# KiCad board atonceplus.kicad_pcb (continued)
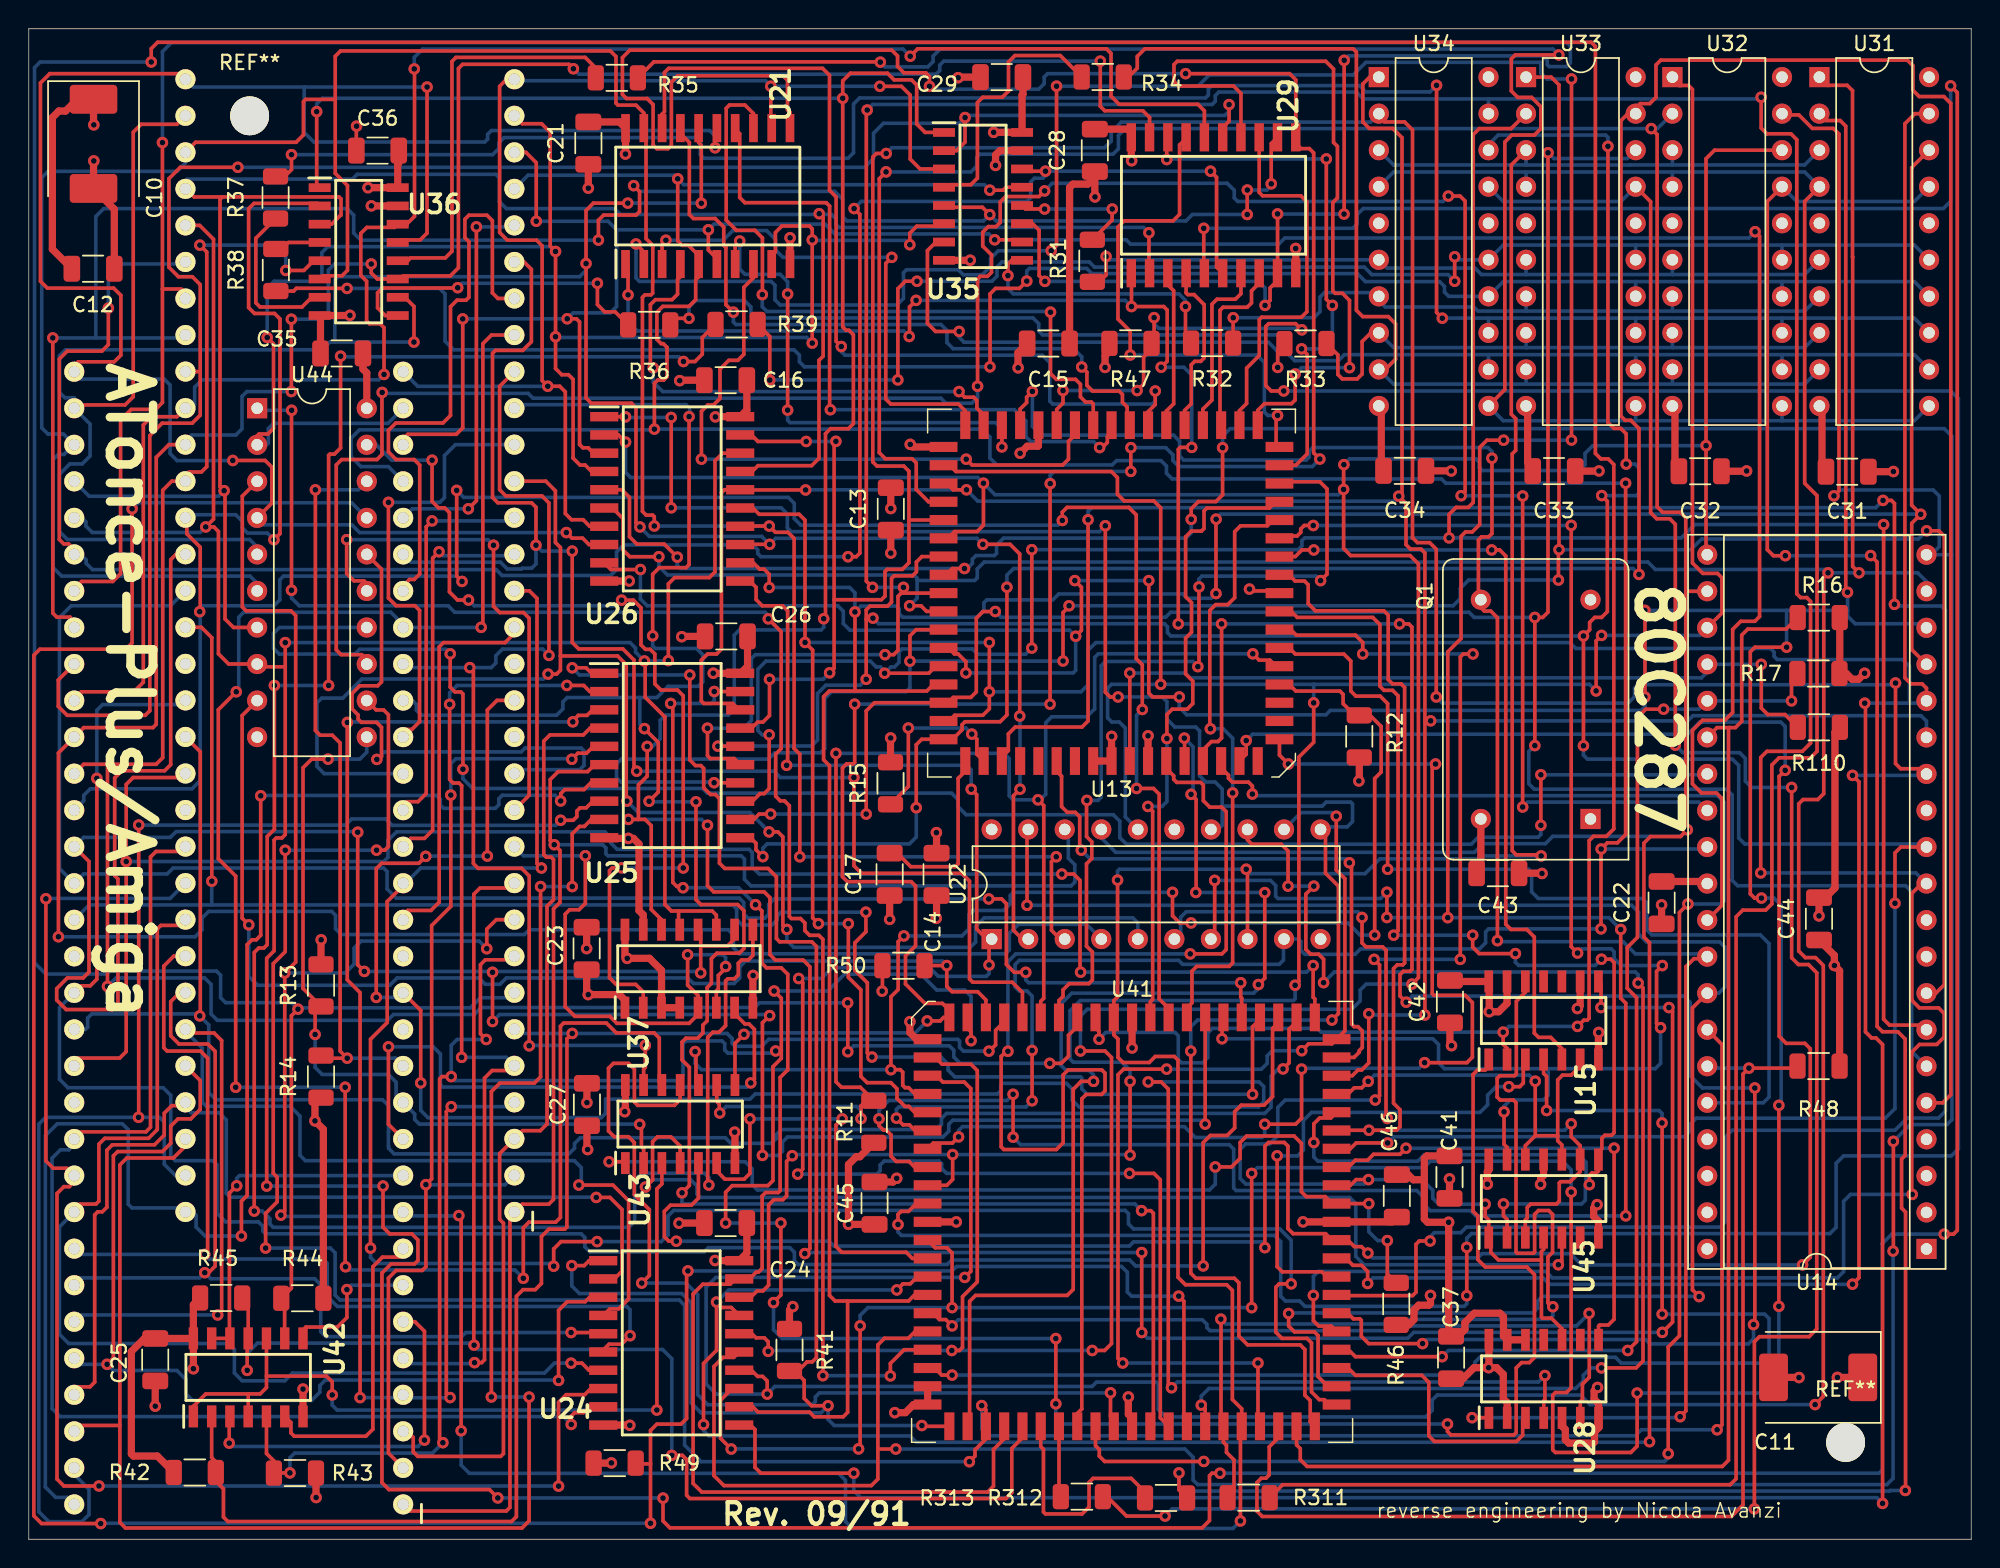
[diagram p0: board, top side]
## Routing (per net, layer and track width the routed paths; a pad name or vN(x,y) marks a point on that pad's centre or on a via; arc(x,y) is an arc through that point) (continued)
6_INTR: length 41.7
  Top w0.25: U13.57 71.44,53.38 71.78,53.04 71.78,50.93 72.18,50.53 72.73,50.53 73.04,50.22 73.04,48.01 v1(73.15,47.9) ; v1(91.78,47.02) 91.93,46.87 91.93,35.81 92.11,35.63 92.38,35.63 92.68,35.33 92.68,34.18 92.47,33.97 92.47,33.86 92.1,33.49 U41.73
  Bottom w0.25: v1(73.15,47.9) 73.75,47.3 91.51,47.3 v1(91.78,47.02)
6_M\~{IO}: length 180.2
  Top w0.25: U13.67 84.61,54.57 v1(84.61,55.52) ; v1(85.91,20.27) 85.91,27.33 86.16,27.58 87.26,27.58 87.51,27.33 87.51,21.6 87.87,21.24 90.13,21.24 90.58,20.79 U41.63 91.68,20.79 92.13,20.34 92.62,20.34 v1(93.07,19.89) ; U43.5 46.54,23.71 46.05,23.22 44.6,23.22 44.17,22.79 44.17,21.03 44.48,20.72 v1(45.01,20.72) ; v1(123.28,19.07) 123.82,19.61 123.82,34.09 123.44,34.47 122.14,34.47 121.65,34.96 121.65,53.03 v1(122.07,53.45)
  Bottom w0.25: v1(85.91,20.27) 85.91,20.5 85.74,20.67 76.78,20.67 76.49,20.38 55.96,20.38 55.62,20.72 v1(45.01,20.72) ; v1(93.07,19.89) 93.4,19.56 100.71,19.56 101,19.85 107.14,19.85 107.92,19.07 v1(123.28,19.07) ; v1(84.61,55.52) 85.05,55.96 115.29,55.96 116.13,56.8 121.77,56.8 122.07,56.5 v1(122.07,53.45)
6_PEREQ: length 57
  Top w0.25: U13.61 v1(76.52,60.21) ; v1(120.41,60.82) 120.41,57.78 120.86,57.33 122.06,57.33 R110.2
  Bottom w0.25: v1(120.41,60.82) U14.24 116.65,60.28 116.25,59.88 80.71,59.88 80.38,60.21 v1(76.52,60.21)
6_RESET: length 223.2
  Top w0.25: v1(87.22,79.82) 86.35,79.82 85.97,80.2 85.97,84.3 86.17,84.5 88.04,84.5 88.47,84.07 v1(88.48,84.07) ; U13.29 71.44,78.54 71.88,78.98 v1(71.88,79.85) ; v1(99.94,16.93) v1(99.94,20.29) ; v1(77.03,79.85) 77.48,80.3 77.48,82.18 78.03,82.73 R47.2 78.21,83.31 v1(78.21,84.92) ; U41.21 61.68,23.33 61.14,22.79 60.62,22.79 60.41,22.58 v1(60.41,21.88)
  Bottom w0.25: v1(99.94,16.93) 99.94,16.37 99.76,16.19 88.69,16.19 88.32,16.56 87.34,16.56 87.01,16.89 87.01,20.69 86.58,21.12 60.65,21.12 60.41,21.36 v1(60.41,21.88) ; v1(87.22,79.82) 133.57,79.82 134.11,79.28 134.11,27.14 133.62,26.65 126.13,26.65 125.61,26.13 125.61,21.68 125.17,21.24 100.26,21.24 99.94,20.92 v1(99.94,20.29) ; v1(78.21,84.92) 78.21,84.49 78.53,84.17 88.38,84.17 v1(88.48,84.07) ; v1(71.88,79.85) v1(77.03,79.85)
6_~{BHE}: length 79.3
  Top w0.25: v1(97.77,53.89) 97.54,53.66 97.54,37.93 97.66,37.81 99.83,37.81 100.33,37.31 100.33,33.51 99.95,33.13 v1(97.01,33.13) ; U41.18 62.87,27.54 64.19,27.54 v1(64.62,27.97) ; 87.36,55.61 U13.1 86.92,54.51 v1(87.54,53.89) ; v1(88.46,32.68) 88.46,29.27 88.04,28.85 v1(85.9,28.85)
  Bottom w0.25: v1(88.46,32.68) 88.52,32.74 96.62,32.74 v1(97.01,33.13) ; v1(64.62,27.97) 64.62,28.41 64.89,28.68 80.32,28.68 81.07,27.93 85.7,27.93 85.9,28.13 v1(85.9,28.85) ; v1(97.77,53.89) v1(87.54,53.89)
6_~{BUSY}: length 177.7
  Top w0.25: v1(97.39,20.73) 96.64,20.73 96.41,20.5 96.41,17.17 96.17,16.93 90.94,16.93 U41.60 ; v1(73.62,70.87) 73.62,56.88 73.2,56.46 68.56,56.46 68.08,55.98 68.08,54.82 67.63,54.37 U13.54 ; v1(128.87,72.22) 129.46,72.22 129.66,72 v1(129.66,64.99)
  Bottom w0.25: v1(128.87,72.22) 128.37,71.71 73.88,71.71 73.62,71.45 v1(73.62,70.87) ; v1(97.39,20.73) 97.39,21.02 97.68,21.31 99.53,21.31 99.91,21.69 117.54,21.69 117.88,22.03 117.88,27.92 118.39,28.43 129.7,28.43 130.55,29.28 132.73,29.28 133.21,29.76 133.21,64.58 132.91,64.87 129.84,64.87 129.72,64.99
6_~{PEACK}: length 67.5
  Top w0.25: U13.6 87.6,61.96 88.03,61.53 91.4,61.53 91.88,61.05 91.88,58.96 92.23,58.61 93.92,58.61 94.44,58.09 v1(94.44,46.57)
  Bottom w0.25: v1(94.44,46.57) 104.25,46.57 104.44,46.38 104.44,45.01 104.91,44.54 112.14,44.54 112.46,44.22 112.46,42.36 112.81,42.01 120.34,42.01 120.95,41.4 120.95,30.74 120.55,30.34 U14.36
6_~{READY}: length 83.4
  Top w0.25: U13.63 79.06,53.58 79.57,53.07 79.57,52.83 79.79,52.61 81.45,52.61 81.63,52.43 81.63,51.34 82.08,50.89 82.91,50.89 83.22,50.58 83.22,40.99 82.92,40.69 v1(80.72,40.69) ; U41.40 72.87,8.74 73.18,9.05 73.18,30.61 73.49,30.92 74.56,30.92 74.8,31.16 74.8,32.4 74.57,32.63 72.24,32.63 71.89,32.28 71.89,27.56 71.42,27.09 67.77,27.09 67.58,27.28 67.58,33.56 67.94,33.92 v1(68.05,33.92)
  Bottom w0.25: v1(68.05,33.92) 68.05,40.14 68.6,40.69 v1(80.72,40.69)
6_~{S0}: length 99.3
  Top w0.25: U41.6 70.33,37.39 70.54,37.6 70.54,51 v1(70.14,51.4) ; v1(85.07,61.55) 85.51,61.11 86.26,61.11 86.68,60.69 U13.5 ; v1(56.1,54.63) 56.1,31.8 56.48,31.42 57.79,31.42 R11.1 58.19,30.48 57.84,30.13 v1(57.84,29.24) ; U43.9 47.81,30.43 47.99,30.25 47.99,29.66 v1(48.02,29.63)
  Bottom w0.25: v1(48.02,29.63) 48.47,30.08 57.56,30.08 57.84,29.8 v1(57.84,29.24) ; v1(85.07,61.55) 74.33,61.55 74.08,61.3 74.08,57.72 73.53,57.17 71.09,57.17 70.68,56.76 70.68,51.79 70.29,51.4 v1(70.14,51.4) 68.42,51.4 68.14,51.68 68.14,54.27 67.78,54.63 v1(56.1,54.63)
6_~{S1}: length 91.5
  Top w0.25: U43.10 46.37,31.74 46.37,33.84 v1(46.31,33.9) ; U41.15 61.59,30.95 61.15,31.39 60.9,31.39 60.74,31.55 60.74,32.47 60.57,32.64 v1(59.92,32.64) 59.92,37.71 60.42,38.21 60.42,41.54 v1(60.82,41.94) ; 87.54,59.42 U13.4 87.6,59.42 88.06,58.96 91.12,58.96 91.35,58.73 91.35,58.08 92.16,57.27 R12.2 93.22,57.27 93.99,56.5 93.99,53.33 93.54,52.88 v1(93.54,42) ; v1(79.49,44.97) 79.49,43.34 79.99,42.84 v1(80.78,42.84)
  Bottom w0.25: v1(79.49,44.97) 68.43,44.97 68.21,44.75 68.21,44.17 67.75,43.71 65.62,43.71 65.35,43.44 65.35,42.43 64.86,41.94 v1(60.82,41.94) ; v1(93.54,42) 92.52,42 91.68,42.84 v1(80.78,42.84) ; v1(46.31,33.9) 46.31,33.08 46.75,32.64 v1(59.92,32.64)
7_NPS2: length 119.3
  Top w0.25: v1(87.56,15.69) 87.56,14.82 87.97,14.41 89.35,14.41 89.6,14.16 89.6,11.31 90.28,10.63 U41.55 ; v1(69.38,44.07) 69.38,49.26 U22.19 ; v1(116.09,16.87) 115.62,17.34 115.62,36.93 U14.33
  Bottom w0.25: v1(69.38,44.07) 111.4,44.07 111.88,43.59 111.88,42.07 112.43,41.53 117.51,41.53 117.92,41.12 117.92,38.43 117.45,37.96 U14.33 117.22,37.96 ; v1(87.56,15.69) 87.6,15.73 104.52,15.73 104.85,16.06 104.85,16.54 105.2,16.89 116.07,16.89 v1(116.09,16.87)
7_RESET: length 77.9
  Top w0.25: R48.2 122.79,32.75 v1(119.55,32.75) 119.14,32.34 119.14,2.39 118.33,1.58 85.73,1.58 85.35,1.96 85.35,3.93 85.66,4.24 85.98,4.24 86.21,4.47 86.21,6.42 86.84,7.05 U41.51
  Bottom w0.25: U14.35 116.78,32.75 v1(119.55,32.75)
7_~{BUSY}: length 78.7
  Top w0.25: v1(113.62,57.7) 112.38,57.7 111.8,57.12 111.8,41.84 111.09,41.13 111.09,38.3 111.74,37.65 111.74,13.73 v1(111.13,13.12) ; U41.57 91.72,13.17 92.2,12.69 v1(98.23,12.69) ; v1(122.51,58.28) 122.51,59.77 R17.2
  Bottom w0.25: v1(98.23,12.69) 98.66,13.12 v1(111.13,13.12) ; v1(113.62,57.7) 116.07,57.7 U14.25 v1(122.51,58.28)
7_~{ERROR}: length 96.8
  Top w0.25: 118.21,56.42 118.61,56.42 119.05,56.86 119.05,62.85 119.47,63.27 122.14,63.27 R16.2 ; 118.21,56.42 118.13,56.34 118.13,5.49 117.7,5.06 88.84,5.06 88.37,5.53 88.37,6.3 88.11,6.56 U41.52 ; 118.21,56.42 117.33,56.42 U14.26
7_~{NPRD}: length 123.5
  Top w0.25: v1(29.29,61.55) 29.29,59.23 29.62,58.9 30.03,58.9 30.17,58.75 v1(30.17,53.53) ; v1(105.09,49.63) v1(105.09,53.14)
  Bottom w0.25: v1(105.09,53.14) 116.59,53.14 U14.27 ; v1(105.09,49.63) 105.09,48.99 104.9,48.8 100.74,48.8 100.25,48.31 76.29,48.31 75.83,48.77 75.83,49.91 75.37,50.37 65.14,50.37 64.59,50.92 64.59,51.41 64.14,51.86 47.16,51.86 46.83,52.19 30.85,52.19 30.17,52.86 v1(30.17,53.53) ; U44.14 17.42,63.38 17.01,62.97 17.01,61.93 17.41,61.53 22.66,61.53 23,61.87 28.97,61.87 v1(29.29,61.55)
7_~{NPS1}: length 195.3
  Top w0.25: v1(16.46,20.24) 16.46,22.65 17.26,23.45 17.26,25.17 16.99,25.44 16.99,40.01 17.82,40.84 v1(17.82,47.9) ; v1(65.37,5.39) 65.76,5.78 65.76,6.21 66.52,6.97 U41.35 66.52,9 v1(66.23,9.29) ; v1(24.17,47.9) 24.74,47.9 24.99,48.15 24.99,57.32 24.66,57.65 24.14,57.65 U44.12 ; v1(117.34,7.61) 117.68,7.95 117.68,34.39 U14.34
  Bottom w0.25: v1(66.23,9.29) 66.23,7.66 66.7,7.19 111.66,7.19 112.08,7.61 v1(117.34,7.61) ; v1(16.46,20.24) 20.96,20.24 21.29,19.91 21.29,16.97 21.63,16.63 45.21,16.63 45.58,16.26 45.58,6.54 46.73,5.39 v1(65.37,5.39) ; v1(24.17,47.9) v1(17.82,47.9)
7_~{NPWR}: length 174.3
  Top w0.25: v1(99.55,72.54) 99.83,72.82 99.83,93.02 99.48,93.37 v1(98.66,93.37) ; v1(65.94,80.15) 65.94,87.6 66.13,87.79 66.63,87.79 66.91,88.07 66.91,89.28 66.3,89.89 66.3,90.86 66.69,91.25 67.23,91.25 67.52,91.54 67.52,92.96 67.9,93.34 70.21,93.34 v1(70.6,93.73) ; v1(103.83,72.52) v1(103.83,50.9) ; U44.13 23.49,61.14 23.14,61.49 21.71,61.49 21.37,61.83 21.37,74.68 21.74,75.05 24.2,75.05 24.54,75.4 24.54,79.7 v1(24.56,79.72)
  Bottom w0.25: v1(65.94,80.15) 65.94,79.37 65.54,78.97 63.74,78.97 63.39,79.32 35.04,79.32 34.7,79.66 24.62,79.66 v1(24.56,79.72) ; v1(103.83,50.9) 104.16,51.24 116.07,51.24 U14.28 ; v1(103.83,72.52) 103.81,72.54 v1(99.55,72.54) ; v1(98.66,93.37) 98.28,92.99 84.03,92.99 83.78,93.24 83.78,93.77 83.29,94.26 71.13,94.26 v1(70.6,93.73)
CLK: length 70.8
  Top w0.25: v1(88.47,33.96) 88.95,34.44 90.57,34.44 U41.74 91.47,35.34 91.47,45.92 90.87,46.52 v1(90.87,50.26) ; v1(79.08,32.68) 76.09,32.68 75.7,32.29 75.7,12.58 v1(76.03,12.25) ; v1(85.43,12.25) 85.43,8.41 85.57,8.27 U41.50
  Bottom w0.25: U22.12 88.41,50.51 90.62,50.51 v1(90.87,50.26) ; v1(79.08,32.68) 79.09,32.67 85.66,32.67 86.07,33.08 86.07,33.6 86.43,33.96 v1(88.47,33.96) ; v1(85.43,12.25) v1(76.03,12.25)
GCLK: length 201.8
  Top w0.25: v1(49.7,35.09) 49.08,34.47 U43.8 48.93,31.57 ; v1(70.99,73.38) 70.98,73.37 v1(70.98,58.05) ; v1(57.4,58.05) 57.4,54 57.3,53.9 56.84,53.9 56.55,53.61 56.55,46.05 56.89,45.71 61.33,45.71 61.63,45.41 61.63,41.25 60.93,40.55 60.93,38.6 62.28,37.25 63.5,37.25 63.98,36.77 U41.11 63.59,36.28 63.34,36.03 v1(62.44,36.03) ; v1(80.4,101.88) 87.63,101.88 88.06,101.45 U29.11 88.06,97.03 88.41,96.67 89,96.67 89.3,96.37 89.3,75.52 v1(89.73,75.09) ; v1(62.6,101) 62.6,101.68 62.34,101.94 60.82,101.94 60.38,102.38 60.38,103.11 59.98,103.51 41.77,103.51 41.26,103 41.26,100.43 41.54,100.15 42.97,100.15 43.39,99.73 43.39,96.92 43.65,96.66 44.43,96.66 44.66,96.89 44.66,101.29 45.1,101.73 52.42,101.73 52.73,101.42 52.73,99.37 52.91,99.19 U21.11 ; v1(76.59,74.23) 76.59,75.87 v1(76.6,75.88)
  Bottom w0.25: v1(49.7,35.09) 49.81,35.2 61.61,35.2 v1(62.44,36.03) ; v1(80.4,101.88) 70.81,101.88 70.57,101.64 70.57,101.18 70.19,100.8 62.8,100.8 v1(62.6,101) ; v1(89.73,75.09) 89.21,74.57 79.93,74.57 79.52,74.98 79.52,75.38 79.02,75.88 v1(76.6,75.88) ; v1(57.4,58.05) v1(70.98,58.05) ; v1(76.59,74.23) 71.26,74.23 70.99,73.96 v1(70.99,73.38)
LDC: length 98.2
  Top w0.25: U24.19 50.09,18.09 50.56,18.57 50.71,18.57 50.97,18.83 50.97,23.86 51.21,24.1 52.09,24.1 52.22,24.23 52.22,32.1 52.75,32.63 52.75,39.27 52.3,39.72 51.27,39.72 50.95,40.04 50.95,43.67 v1(50.51,44.11) ; U24.19 49.12,18.09 48.75,17.73 46.85,17.73 46.17,17.05 46.17,3.88 46.77,3.28 66.64,3.28 67.05,3.69 67.05,6.24 67.79,6.98 U41.36 ; U24.19 49.99,18.09 ; U24.19 49.94,18.09 ; v1(45.47,45.29) 45.38,45.38 45.04,45.38 44.76,45.66 44.76,57.95 v1(44.61,58.1) ; v1(47.64,58.93) 49.44,58.93 49.44,58.92
  Bottom w0.25: v1(50.51,44.11) 49.33,45.29 v1(45.47,45.29) ; v1(47.64,58.93) 47.64,58.29 47.45,58.1 v1(44.61,58.1)
M2: length 111.1
  Top w0.25: v1(37.74,19.02) 38.6,19.02 38.94,19.36 39.92,19.36 ; v1(62.07,7.9) 62.12,7.85 U41.33 ; v1(45.94,60.08) 45.94,54.17 46.33,53.78 46.71,53.78 46.9,53.59 46.9,52.24 47.38,51.77 47.72,51.77 48,51.49 48,47 48.37,46.63 51.38,46.63 51.96,46.05 51.96,41.76 52.19,41.53 54.42,41.53 54.74,41.21 54.74,12.62 54.45,12.33 54.09,12.33 53.46,11.7 R41.2 53.23,11.7 53.89,11.04 53.89,9.79 54.4,9.28 v1(55.55,9.28) ; U25.1 39.11,60.19 38.73,60.58 v1(37.77,60.58)
  Bottom w0.25: v1(37.74,19.02) 37.74,17.61 38.27,17.08 45.4,17.08 46.04,16.44 46.04,9.47 46.72,8.79 55.06,8.79 v1(55.55,9.28) 55.55,8.33 55.98,7.9 v1(62.07,7.9) ; v1(37.77,60.58) 38.27,60.08 v1(45.94,60.08)
M_~{AS}: length 101.6
  Top w0.25: U41.8 67.79,35.97 67.2,35.38 67.2,34.36 66.76,33.93 v1(66.73,33.93) ; v1(37.77,35.16) 37.4,34.79 37.4,21.7 37.25,21.55 36.14,21.55 35.63,21.04 35.63,17.78 35.2,17.35 34.35,17.35 33.89,16.89 33.89,1.57 33.55,1.23 13.84,1.23 13.53,1.54 13.53,3.5 13,4.03 13,5.38 12.71,5.67 U42.2
  Bottom w0.25: J2.6 34.04,35.16 v1(37.77,35.16) 48.53,35.16 48.89,34.8 48.89,34.46 49.08,34.27 50.94,34.27 51.42,34.75 64.57,34.75 64.69,34.63 64.69,34.2 64.96,33.93 v1(66.73,33.93)
M_~{BGACK}: length 35.7
  Top w0.25: J2.12 34.78,51.72 34.78,64.02 34.38,64.42 32.73,64.42 32.3,64.85 v1(32.3,69.1) ; v1(22.09,69.49) 22.09,67.13 22.6,66.62 23.3,66.62 23.49,66.43 U44.15
  Bottom w0.25: v1(32.3,69.1) 31.91,69.49 v1(22.09,69.49)
M_~{BG}: length 37.5
  Top w0.25: v1(45.79,40.63) 45.79,38.52 46.51,37.8 U37.5 46.51,36.49 45.89,35.86 40.87,35.86 40.39,36.35 37.95,36.35 37.28,37.02 37.28,43.45 37.59,43.76 38.24,43.76 38.68,44.2 v1(38.68,47.51) ; U37.6 47.78,38.11 47.92,38.25 47.92,39.19 48.43,39.7 v1(48.43,39.81)
  Bottom w0.25: v1(45.79,40.63) 48.24,40.63 48.43,40.44 v1(48.43,39.81) ; J2.11 33.75,48.14 34.38,47.51 v1(38.68,47.51)
M_~{BR}: length 38.8
  Top w0.25: U44.16 24.52,67.43 24.52,59.6 24.25,59.33 23,59.33 22.46,58.79 22.46,57.73 22.89,57.3 22.89,57.01 23.11,56.79 24.17,56.79 24.52,56.44 24.52,54.41 24.32,54.21 v1(24.19,54.21)
  Bottom w0.25: J2.13 33.76,53.23 34.02,53.49 38.29,53.49 38.59,53.79 38.59,54.8 38.39,55 34.5,55 34.23,54.73 24.71,54.73 v1(24.19,54.21)
M_~{DTACK}: length 109.3
  Top w0.25: v1(15.18,11.74) 15.18,13.89 U42.11 15.25,16.35 R45.2 ; v1(30.95,13.49) 30.93,13.51 30.93,44.84 31.36,45.27 33.41,45.27 J2.10 ; U41.37 69.06,7.05 68.32,6.31 68.32,3.24 67.91,2.83 45.95,2.83 45.72,3.06 45.72,5.54 45.43,5.83 v1(44.69,5.83)
  Bottom w0.25: v1(44.69,5.83) 44.69,12.55 44.05,13.19 31.25,13.19 v1(30.95,13.49) 30.81,13.63 15.89,13.63 15.18,12.92 v1(15.18,11.74)
M_~{LDS}: length 222.2
  Top w0.25: v1(51.76,16.45) 51.76,16.47 52.27,16.98 v1(52.27,21.98) ; v1(51.8,38.11) 52.3,37.61 52.3,33.94 ; U15.1 101.47,32.87 101.21,32.61 100.68,32.61 100.38,32.31 100.38,22.8 100.71,22.47 100.71,19.44 101.23,18.92 104.12,18.92 104.65,18.39 104.65,12.64 104.29,12.28 103.75,12.28 103.38,11.91 103.38,7.42 103.21,7.25 98.84,7.25 98.6,7.49 v1(98.6,8.01) ; 52.3,33.94 52.3,33.43 51.72,32.85 51.72,24.93 51.37,24.58 48.89,24.58 48.43,24.12 v1(48.43,21.98) ; 52.3,33.94 v1(51.91,33.94) ; J2.8 33.5,40.28 31.73,40.28 31.39,39.94 31.39,35.14 v1(31.79,34.74) ; U41.10 65.25,35.51 65.49,35.27 v1(65.49,34.66) ; v1(71.38,13.95) v1(71.38,9.41) ; U42.5 16.52,5.96 17.04,5.44 R43.2 17.05,4.61 v1(18.15,4.61) ; v1(28.78,6.71) 28.55,6.94 28.55,31.99 28.72,32.16 v1(29.36,32.16)
  Bottom w0.25: v1(51.76,16.45) 51.76,14.56 52.37,13.95 v1(71.38,13.95) ; v1(98.6,8.01) 71.86,8.01 71.38,8.49 v1(71.38,9.41) ; v1(48.43,21.98) v1(52.27,21.98) ; v1(31.79,34.74) 29.77,34.74 29.36,34.33 v1(29.36,32.16) 29.36,32.14 29.62,31.88 45.08,31.88 45.47,32.27 45.47,34.44 45.67,34.64 48.18,34.64 48.37,34.45 48.37,34.01 48.59,33.79 51.76,33.79 v1(51.91,33.94) ; v1(65.49,34.66) 65.49,37.74 65.05,38.18 63.1,38.18 62,39.28 56.69,39.28 55.52,38.11 v1(51.8,38.11) ; v1(18.15,4.61) 18.15,5.66 18.48,5.99 28.06,5.99 v1(28.78,6.71)
M_~{UDS}: length 343.7
  Top w0.25: U42.9 17.78,13.97 17.78,16.52 R44.2 18.25,17.45 18.25,36.39 v1(18.71,36.85) ; 107.64,35.69 v1(107.64,35.65) 108.07,36.08 108.31,36.08 108.45,36.22 108.45,48.57 108.74,48.86 109.64,48.86 110.16,49.38 110.16,74.71 109.77,75.1 109.26,75.1 108.88,75.48 108.88,103.78 108.6,104.06 8.95,104.06 8.51,103.62 v1(8.51,102.69) ; v1(74.38,34.76) 74.38,35.3 74.14,35.54 U41.3 ; v1(102.47,35.25) 102.47,34.4 102.74,34.13 U15.2
  Bottom w0.25: J2.7 33.4,37.64 31.39,37.64 30.69,36.94 18.8,36.94 v1(18.71,36.85) 18.26,37.3 13.68,37.3 13.33,37.65 13.33,39.21 13.05,39.49 5.64,39.49 5.44,39.29 1.18,39.29 0.4,40.07 0.4,102.3 0.79,102.69 v1(8.51,102.69) ; v1(74.38,34.76) 74.85,35.23 79.66,35.23 79.89,35 79.89,33.35 80.12,33.12 81.58,33.12 81.94,33.48 81.94,35.19 82.27,35.52 89.55,35.52 89.82,35.25 v1(102.47,35.25) 102.87,35.65 v1(107.64,35.65)
P9: length 77.9
  Top w0.25: U44.9 14.83,57.26 14.83,43.17 v1(15.29,42.71) ; U41.9 66.52,37.49 65.95,38.06 64.17,38.06 63.8,38.43 v1(63.8,39.88) 62.26,39.88 R50.2
  Bottom w0.25: v1(63.8,39.88) 63.8,39.89 63.5,40.19 49.81,40.19 49.41,39.79 49.41,39.02 49.02,38.63 46.19,38.63 45.8,39.02 33.19,39.02 32.75,38.58 31.72,38.58 31.28,39.02 25.6,39.02 25.09,38.51 15.9,38.51 15.29,39.12 v1(15.29,42.71)
P19: length 273.6
  Top w0.25: v1(94.39,43.22) v1(94.39,44.98) ; v1(42.2,90.04) 42.6,89.64 42.6,88.79 U21.2 ; U22.7 82.42,41.98 v1(82.42,45.8) ; v1(71.43,101.01) 71.43,89.94 v1(71.06,89.57) ; U41.19 61.57,25.87 61.18,26.26 60.29,26.26 59.93,26.62 59.93,28.11 59.59,28.45 59.39,28.45 59.09,28.75 v1(59.09,29.22) ; v1(102.5,76.4) 101.34,76.4 100.84,75.9 100.84,70.54 100.32,70.02 99.85,70.02 99.54,69.71 99.54,62.61 98.62,61.69 v1(98.62,43.21) ; v1(110.99,22.48) 110.99,37.26 110.64,37.61 v1(110.64,42.39) ; v1(107.22,76.41) v1(107.22,101.51) ; v1(68.41,30.93) v1(68.41,27.95)
  Bottom w0.25: v1(68.41,27.95) 68.93,27.43 83.43,27.43 83.74,27.12 83.74,24.41 83.91,24.24 96.47,24.24 97.02,23.69 97.02,23.22 97.4,22.84 100.21,22.84 100.57,22.48 v1(110.99,22.48) ; v1(71.43,101.01) 81.26,101.01 82.04,101.79 92.05,101.79 92.93,102.67 105.02,102.67 105.09,102.6 105.09,101.93 105.51,101.51 v1(107.22,101.51) ; v1(71.06,89.57) 67.38,89.57 66.84,89.03 66.84,88.48 66.26,87.9 64.95,87.9 64.6,88.25 61,88.25 60.79,88.04 60.79,86.25 60.34,85.8 52.22,85.8 51.86,86.16 51.86,87.17 51.59,87.44 42.44,87.44 42.2,87.68 v1(42.2,90.04) ; v1(102.5,76.4) 107.21,76.4 v1(107.22,76.41) ; v1(94.39,44.98) 93.95,44.54 86.82,44.54 86.66,44.7 86.66,45.44 86.3,45.8 v1(82.42,45.8) ; v1(94.39,43.22) 94.4,43.21 v1(98.62,43.21) 109.82,43.21 v1(110.64,42.39) ; v1(68.41,30.93) 67.98,30.5 59.77,30.5 59.09,29.82 v1(59.09,29.22)
P24: length 29.4
  Top w0.25: v1(56.53,29.22) 56.1,28.79 56.1,20.35 56.5,19.95 60.98,19.95 61.41,19.52 U41.24 ; 47.66,26.15 U43.6 47.81,25.6 48.38,25.03 49.72,25.03 50.12,25.43 v1(50.12,29.22)
  Bottom w0.25: v1(56.53,29.22) v1(50.12,29.22)
P27: length 55
  Top w0.25: v1(108.44,15.7) 108.46,15.68 108.46,11.26 107.98,10.78 107.98,9.72 107.83,9.57 U28.6 ; v1(64.17,14.83) 63.73,15.27 63.29,15.27 62.85,15.71 U41.27
  Bottom w0.25: v1(64.17,14.83) 64.6,15.26 81.56,15.26 81.88,14.94 81.88,14.71 82.09,14.5 95.43,14.5 95.76,14.83 107.57,14.83 v1(108.44,15.7)
P29: length 113.5
  Top w0.25: v1(18.26,65.97) 18.26,78.47 v1(18.27,78.48) ; v1(51.4,63.98) 52.29,63.09 52.29,54.96 51.91,54.58 51.91,51.65 52.23,51.33 52.52,51.33 52.86,50.99 52.86,43.29 53,43.15 53.63,43.15 53.94,42.84 53.94,42.31 54.27,41.98 54.91,41.98 55.19,41.7 v1(55.19,11.37) ; U41.29 60.83,13.17 59.88,12.22 v1(59.88,11.36)
  Bottom w0.25: v1(18.26,65.97) 18.26,65.43 18.8,64.89 29.15,64.89 29.6,64.44 51.17,64.44 51.4,64.21 v1(51.4,63.98) ; v1(59.88,11.36) 59.87,11.37 v1(55.19,11.37) ; v1(18.27,78.48) 16.04,78.48 15.9,78.62 15.88,78.62 16,78.5
P30: length 95.8
  Top w0.25: v1(113.51,28.94) 113.52,28.93 v1(113.52,15.65) ; U41.30 62.96,11.9 63.45,11.41 v1(64.17,11.41) ; U15.4 105.28,32.38 105.49,32.17 v1(105.49,29.8)
  Bottom w0.25: v1(113.52,15.65) 120.64,15.65 120.95,15.34 120.95,12.6 120.59,12.24 110.68,12.24 110.27,12.65 100.85,12.65 100.51,12.31 100.51,11.88 100.04,11.41 v1(64.17,11.41) ; v1(113.51,28.94) 113.51,29.6 113.31,29.8 v1(105.49,29.8)
P38: length 16
  Top w0.25: U41.38 70.33,6.44 70.52,6.25 70.52,1.9 70.66,1.76 73.21,1.76 73.69,2.24 73.69,3.95 73.97,4.23 76.62,4.23 77.58,3.27 R312.1
P39: length 4.9
  Top w0.25: U41.39 71.6,3.09 R313.1
P42: length 68.9
  Top w0.25: U43.11 45.27,30.56 44.87,30.16 42.32,30.16 42.09,30.39 42.09,32.68 41.69,33.08 40.63,33.08 40.29,32.74 40.29,28.38 40.69,27.98 41.68,27.98 42.09,27.57 42.09,23.95 43.13,22.91 43.13,18.34 v1(42.6,17.81) ; U41.42 75.41,8.32 75.18,8.55 v1(75.18,10.18)
  Bottom w0.25: v1(75.18,10.18) 75.17,10.17 54.95,10.17 54.67,9.89 54.67,9.57 54.45,9.35 47.19,9.35 46.49,10.05 46.49,16.99 45.67,17.81 v1(42.6,17.81)
P45: length 115
  Top w0.25: v1(66.74,39.92) 66.74,41.54 U22.1 66.58,41.72 65.88,42.42 65.88,51.76 v1(65.5,52.14) ; U26.11 50.12,66.61 50.55,66.17 50.55,65.32 50.98,64.89 52.39,64.89 52.74,64.54 52.74,53.87 v1(52.67,53.8) ; v1(53.44,25.38) 53.79,25.73 53.79,38.7 v1(53.51,38.98) ; U41.45 79.22,7.86 78.64,8.44 78.64,24.99 78.2,25.43 v1(76.5,25.43)
  Bottom w0.25: v1(52.67,53.8) 65.18,53.8 65.5,53.48 v1(65.5,52.14) ; v1(53.51,38.98) 55.09,38.98 55.84,39.73 62.61,39.73 63.21,39.13 66.55,39.13 66.74,39.32 v1(66.74,39.92) ; v1(53.44,25.38) 58.94,25.38 59.17,25.61 59.17,26.01 59.45,26.29 63.25,26.29 63.44,26.1 63.44,25.78 63.79,25.43 v1(76.5,25.43)
P46: length 202.2
  Top w0.25: U41.46 80.49,8.36 80.28,8.57 80.28,16.54 v1(79.92,16.9) ; v1(5,1.09) 0.89,1.09 0.35,1.63 0.35,61.45 0.77,61.87 6.74,61.87 7.18,62.31 v1(7.18,71.63) ; R49.2 42.23,5.24 43.21,5.24 ; 43.21,5.24 v1(43.21,1.11) ; 43.21,5.24 43.21,7.56 43.65,8 45.33,8 45.72,8.39 45.72,18.56 v1(45.81,18.65)
  Bottom w0.25: v1(43.21,1.11) 5.02,1.11 v1(5,1.09) ; v1(7.18,71.63) 7.6,72.05 22.44,72.05 U44.17 ; v1(79.92,16.9) 76.64,16.9 76.35,17.19 76.35,18.56 75.95,18.96 64.48,18.96 64.17,18.65 v1(45.81,18.65)
P47: length 99.3
  Top w0.25: v1(89.99,38.69) 89.99,40.32 89.64,40.67 89.09,40.67 88.75,41.01 88.75,44.84 v1(89.31,45.4) ; U22.13 84.7,48.62 85.01,48.31 87.05,48.31 87.52,47.84 v1(87.52,45.4) ; U41.47 81.76,9.05 v1(81.49,9.32) ; v1(111.85,38.66) 112.19,38.32 112.19,12.39 111.71,11.91 v1(109.3,11.91)
  Bottom w0.25: v1(109.3,11.91) 108.55,11.91 108.04,11.4 108.04,11.01 107.51,10.48 82.02,10.48 81.49,9.95 v1(81.49,9.32) ; 90.15,38.53 90.16,38.52 ; v1(111.85,38.66) 111.85,39.24 111.66,39.43 90.73,39.43 v1(89.99,38.69) ; v1(89.31,45.4) v1(87.52,45.4)
P48: length 70.5
  Top w0.25: v1(105.92,16.16) 105.85,16.16 105.58,16.43 105.58,19.62 105.91,19.95 105.91,22.58 105.64,22.85 104.92,22.85 104.65,22.58 104.65,19.97 104.57,19.88 103.45,19.88 103.37,19.97 103.37,30.34 103.18,30.53 102.26,30.53 102.05,30.74 102.05,32.03 102.24,32.22 103.26,32.22 103.38,32.35 103.38,37.39 104.01,38.02 U15.12 ; R311.1 83.76,3.33 83.76,5.52 83.24,6.04 83.24,6.53 83.03,6.74 U41.48 83.03,7.89 82.86,8.06 82.86,15.29 v1(82.85,15.3)
  Bottom w0.25: v1(82.85,15.3) 83.19,14.96 95.04,14.96 95.36,15.28 105.66,15.28 105.92,15.54 v1(105.92,16.16)
P53: length 142.9
  Top w0.25: U22.11 90.12,49 90.12,46.3 91.02,45.4 91.02,36.54 v1(90.57,36.09) ; v1(80.76,33.93) 80.76,18.49 81.11,18.14 83.79,18.14 84.1,17.83 84.1,14.12 84.71,13.51 88.37,13.51 88.69,13.19 88.69,10.01 89.06,9.64 89.06,8.17 U41.53 ; v1(44.65,71.7) v1(44.65,77.98) ; v1(74.82,70.45) 74.82,58.88 75.15,58.55 v1(75.71,58.55) ; v1(41.47,78.02) 41.46,78.03 U26.1
  Bottom w0.25: 82.95,51 82.99,50.96 89.89,50.96 90.17,51.24 91.87,51.24 92,51.11 92,49.89 91.63,49.52 89.96,49.52 U22.11 ; 82.95,51 82.95,49.64 82.65,49.34 U22.14 ; 82.95,51 82.95,52.14 82.45,52.64 81.8,52.64 81.37,53.07 81.37,56.19 81.1,56.46 79.65,56.46 79.1,57.01 79.1,58.23 78.78,58.55 v1(75.71,58.55) ; v1(41.47,78.02) 41.51,77.98 v1(44.65,77.98) ; v1(74.82,70.45) 74.41,70.04 52.99,70.04 52.72,70.31 52.72,71.27 52.29,71.7 v1(44.65,71.7) ; v1(90.57,36.09) 81.23,36.09 80.76,35.62 v1(80.76,33.93)
P56: length 18.7
  Top w0.25: U41.56 91.7,11.9 92.21,11.39 96.82,11.39 97.3,10.91 97.3,7.19 97.69,6.8 103.4,6.8 103.83,7.23 103.83,8.24 U28.3
P61: length 65.1
  Top w0.25: U41.61 90.21,18.25 89.87,18.59 87.12,18.59 86.76,18.95 v1(86.76,26.65) ; v1(102.86,31.46) 103.62,31.46 103.87,31.71 103.87,33.21 U15.3 ; v1(94.42,29.25) 94.33,29.34 94.33,40.94 94.09,41.18 92.93,41.18 92.66,41.45 v1(92.66,43.22)
  Bottom w0.25: 94.42,29.67 v1(94.42,29.25) ; 94.42,29.67 100.86,29.67 101.39,30.2 101.39,30.87 101.98,31.46 v1(102.86,31.46) ; 94.42,29.67 89.15,29.67 88.58,29.1 88.58,27.05 88.18,26.65 v1(86.76,26.65) ; U22.6 80.05,42.15 80.05,43.23 80.44,43.62 92.37,43.62 92.66,43.33 v1(92.66,43.22)
P65: length 68.8
  Top w0.25: v1(82.46,25.88) 83.59,25.88 84.19,26.48 84.19,27.58 84.64,28.03 87.94,28.03 88.45,27.52 88.45,24.15 88.78,23.82 90.1,23.82 90.59,23.33 U41.65 93.13,23.33 v1(93.13,23.33) ; v1(40.33,26.24) 41.22,26.24 41.31,26.15 ; v1(94.42,20.76) 94.42,18.44 R46.2
  Bottom w0.25: v1(40.33,26.24) 49.79,26.24 50.28,25.75 50.28,24.64 50.64,24.28 82.06,24.28 82.46,24.68 v1(82.46,25.88) ; v1(94.42,20.76) 93.75,20.76 93.13,21.38 v1(93.13,23.33)
P67: length 34
  Top w0.25: U28.8 109.1,14.81 109.18,14.89 109.78,14.89 110.18,15.29 v1(110.18,27.19) ; U41.67 91.72,25.87 92.2,26.35 93.05,26.35 93.46,26.76 95.3,26.76 v1(95.72,27.18)
  Bottom w0.25: v1(110.18,27.19) 110.17,27.18 v1(95.72,27.18)
P71: length 29.9
  Top w0.25: v1(104.7,31.84) 104.7,28.05 ; 104.7,28.05 104.01,27.36 U45.12 ; 104.7,28.05 106.26,28.05 ; 106.26,28.05 106.26,27.7 106.55,27.41 U45.10 ; 106.26,28.05 106.26,31.93 106.59,32.26 107.2,32.26 107.82,32.88 U15.6 ; U41.71 91.69,30.95 92.12,31.38 92.64,31.38 v1(93.09,31.83)
  Bottom w0.25: v1(104.7,31.84) 104.28,32.26 93.52,32.26 v1(93.09,31.83)
Z_A1: length 262.4
  Top w0.25: v1(66.79,93.78) 67.72,93.78 67.93,93.98 U35.13 ; v1(43.48,77.17) 43.48,80.35 43.71,80.58 44.13,80.58 44.36,80.81 44.36,82.85 44.1,83.11 43.95,83.11 43.65,83.41 43.65,85.29 44.06,85.7 45.88,85.7 46.35,86.17 46.35,87.55 46.56,87.75 U21.5 46.56,89.24 45.85,89.95 45.41,89.95 45.1,90.26 v1(45.1,94.57) ; v1(60.3,29.27) 60.76,28.81 61.2,28.81 61.6,28.41 U41.17 ; v1(109.27,42.43) 109.27,47.97 v1(109.28,47.98) 109.71,48.41 110.41,48.41 110.98,48.98 v1(110.98,73.41) ; v1(69.73,30.48) v1(69.73,33.98)